# Altium PCB RADM-B00-V00.PcbDoc (part 1 of 2) (continued)
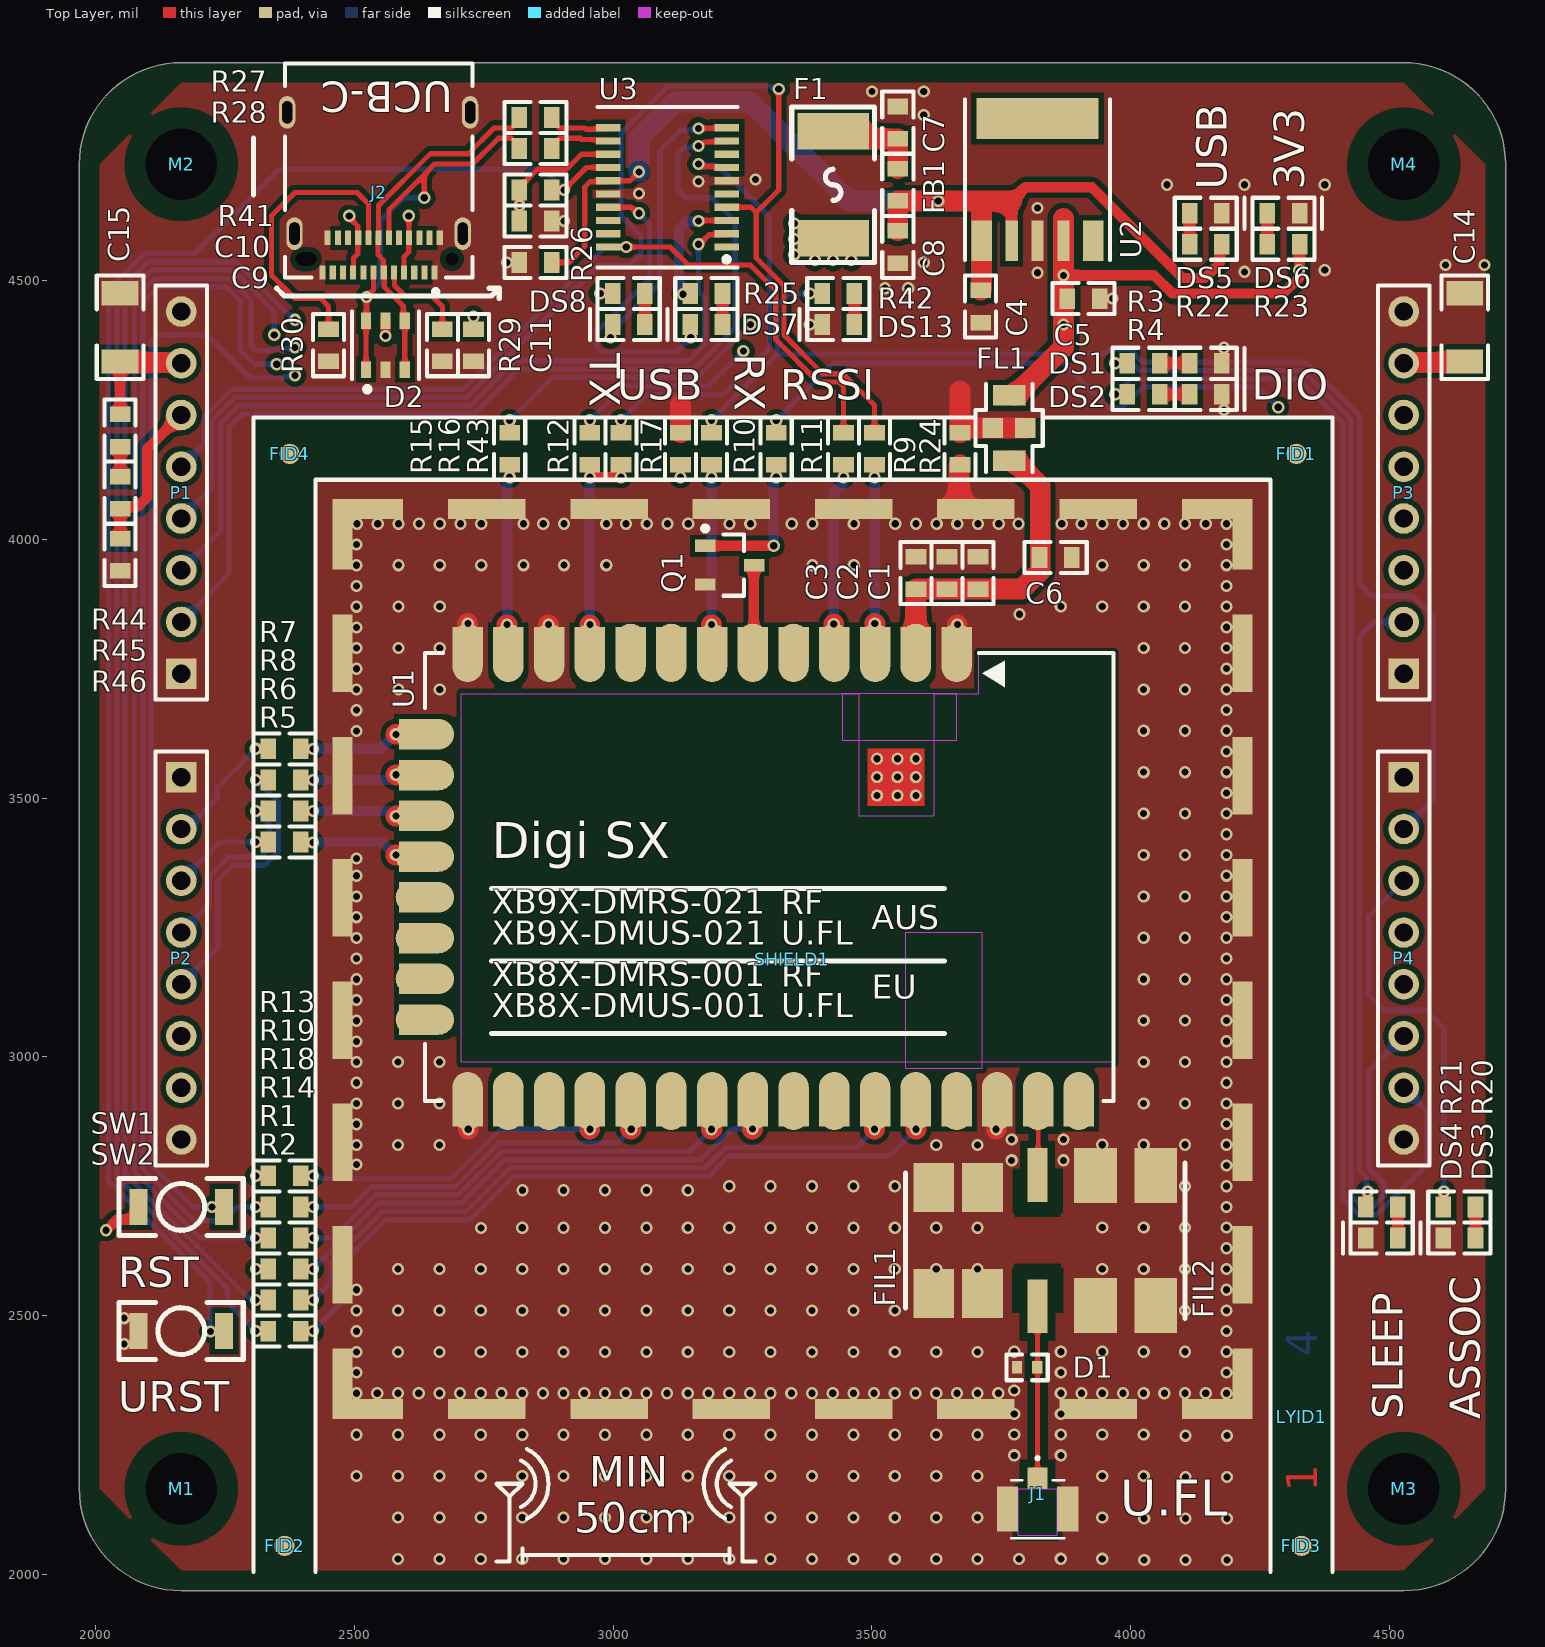
[diagram p0: Top Layer view]
## Design rules (kind name [scope] priority, off if disabled: settings)
Clearance "Schematic Clearance Constraint_1" [InNet('XBEE RF FILT')] p1: gap=14.5 ignorepadtopadclearanceinfootprint=FALSE
Clearance "Schematic Clearance Constraint" [InNet('XBEE RF')] p2: gap=14.5 ignorepadtopadclearanceinfootprint=FALSE
Clearance [All] p3: gap=10 ignorepadtopadclearanceinfootprint=FALSE except(0: Arc-Hole Track-Hole SMDPad-Hole THPad-Hole Via-Hole Fill-Hole Poly-Hole Region-Hole Text-Hole; 6: Arc-Arc Arc-Track Arc-SMDPad Track-Track Track-SMDPad SMDPad-SMDPad)
DiffPairsRouting [All] p1: maxlimit=10 minlimit=6 mostfreqgap=10 toplayer_minwidth=10 toplayer_maxwidth=15 toplayer_prefwidth=15 midlayer1_minwidth=10 midlayer1_maxwidth=15 midlayer1_prefwidth=15 midlayer2_minwidth=10 midlayer2_maxwidth=15 midlayer2_prefwidth=15 bottomlayer_minwidth=10 bottomlayer_maxwidth=15 bottomlayer_prefwidth=15 maxuncoupledlength=500
MaxMinImpedance "Schematic Impedance Constraint_1" [InNet('XBEE RF FILT')] p1: minimum=49.50 maximum=50.50
MaxMinImpedance "Schematic Impedance Constraint" [InNet('XBEE RF')] p2: minimum=49.50 maximum=50.50
PolygonConnect [All] p1: connectstyle=Direct reliefconductorwidth=10 reliefentries=4 polygonreliefangle="90 Angle" airgapwidth=10
RoutingVias [All] p1: holewidth=13.78 width=23.62 viastyle="Through Hole" minholewidth=13.78 minwidth=23.62 maxholewidth=13.78 maxwidth=23.62
SolderMaskExpansion [All] p1: expansion=4 istentingtop=FALSE
Width "Schematic Width Constraint_1" [InNet('XBEE RF FILT')] p1: maxlimit=10 minlimit=9 preferedwidth=10 toplayer_maxwidth=9 toplayer_prefwidth=9 midlayer1_minwidth=10 midlayer2_minwidth=10 bottomlayer_maxwidth=9 bottomlayer_prefwidth=9 minimp=50.000000 maximp=50.000000 favimp=50.000000
Width "Schematic Width Constraint" [InNet('XBEE RF')] p2: maxlimit=10 minlimit=9 preferedwidth=10 toplayer_maxwidth=9 toplayer_prefwidth=9 midlayer1_minwidth=10 midlayer2_minwidth=10 bottomlayer_maxwidth=9 bottomlayer_prefwidth=9 minimp=50.000000 maximp=50.000000 favimp=50.000000
Width [All] p3: maxlimit=40 minlimit=10 preferedwidth=20 minimp=50.000000 maximp=50.000000 favimp=50.000000
29 further rules are at their usual default settings.

## Classes and differential pairs
component class Connector: P1 P2 P3 P4 R44 R45 R46
component class "USB Connectivity (FTDI)": C9 C10 C11 D2 DS7 DS8 J2 R25 R26 R27 R28 R29 R30 R41 SW2 U3
component class "Supporting Circuity (RSSI Indicator)": DS13 R42
component class RADM-Master-S00-V00: FID1 FID2 FID3 FID4 LOGO1 LYID1 M1 M2 M3 M4
component class "Radio Module (Digi SX Radio 900Mhz)": C1 C2 C3 D1 DS1 DS2 DS3 DS4 FIL1 FIL2 J1 Q1 R1 R2 R3 R4 R5 R6 R7 R8 R9 R10 R11 R12 R13 R14 R15 R16 R17 R18 R19 R20 R21 R43 SHIELD1 SW1 U1
component class "Power Supply (Filtering, Regulation)": C4 C5 C6 C7 C8 C14 C15 DS5 DS6 F1 FB1 FL1 R22 R23 R24 U2
differential pair "USB D": +"USB D_P" -"USB D_N"
differential pair "USB DP": +"USB DP_P" -"USB DP_N"

## Components (designator, comment, footprint, x,y, rotation, side; value= is the part's Value field where it differs from the comment)
C1 "1uF" Cap_Ceramic_0603 3705,3935 r270 top
C2 "100nF" Cap_Ceramic_0603 3645,3935 r270 top
C3 "10nF" Cap_Ceramic_0603 3585,3935 r270 top
C4 "1uF" Cap_Ceramic_0603 3710,4450 r90 top
C5 "1uF" Cap_Ceramic_0603 3908.76,4465 r180 top
C6 "100nF" Cap_Ceramic_0603 3855,3965 r180 top
C7 "10nF" Cap_Ceramic_0603 3550,4805 r270 top
C8 "10nF" Cap_Ceramic_0603 3550,4565 r90 top
C9 "100nF" Cap_Ceramic_0603 2850,4535 r0 top
C10 "100nF" Cap_Ceramic_0603 2850,4615 r180 top
C11 "1uF" Cap_Ceramic_0603 2730,4375 r90 top
C14 "10uF 1206" Cap_Ceramic_1206 4645.67,4409.45 r270 top
C15 "10uF 1206" Cap_Ceramic_1206 2047.24,4409.45 r270 top
D1 "PESD0402-140" FERRITEBEAD_0402 3799.68,2400 r0 top locked
D2 "PRTR5V0U4D" SC-47 2560,4375 r90 top
DS1 "LED Yellow 0603" "LED YELLOW 0603" 4145,4340 r0 top
DS2 "LED Yellow 0603" "LED YELLOW 0603" 4145,4280 r0 top
DS3 "LED Yellow 0603" "LED YELLOW 0603" 4635,2650 r180 top
DS4 "LED Orange 0603" "LED ORANGE 0603" 4485,2650 r180 top
DS5 "LED Green 0603" "LED GREEN 0603" 4145,4630 r0 top
DS6 "LED Green 0603" "LED GREEN 0603" 4295,4630 r0 top
DS7 "LED Blue 0603" "LED BLUE 0603" 3180,4415 r180 top
DS8 "LED Blue 0603" "LED BLUE 0603" 3030,4415 r180 top
DS13 "LED Yellow 0603" "LED YELLOW 0603" 3435,4415 r180 top
F1 "0ZCG0050FF2C" "1812 FUSE" 3425,4685 r90 top
FB1 "742792651" Inductor_0603 3550,4685 r270 top
FID1 "Fiducial 1MM" "FIDUCIAL 1MM" 4320,4165 r0 top
FID2 "Fiducial 1MM" "FIDUCIAL 1MM" 2365,2055 r90 top
FID3 "Fiducial 1MM" "FIDUCIAL 1MM" 4330,2055 r90 top
FID4 "Fiducial 1MM" "FIDUCIAL 1MM" 2375,4165 r180 top
FIL1 "DBP.915.V.A.30" "TAOGLAS 915MHZ FILTER" 3820,2645 r270 top locked
FIL2 "DBP.868.U.A.30" "TAOGLAS 868MHZ FILTER" 3820,2645 r90 top locked net-tie
FL1 "NFE31PT101C1E9L" NFE31PT101C1E9L 3765,4215 r270 top
J1 "U.FL-R-SMT-1(10)" "U.FL-R-SMT HIROSE" 3820,2125.98 r270 top locked
J2 "12401610E4#2A" 12401610E4#2A 2546.77,4541.53 r180 top locked
LOGO1 "30mm Wide QUTMS Logo" "QUTMS LOGO 30MM" 3937.01,4330.71 r180 bottom
LYID1 "4 Layer Identification PCB Marker" "LAYER IDENT 4" 4330,2305 r90 top
M1 "Hole M3 Loose Unplated" "M3.5 UNPLATED" 2165.35,2165.35 r0 top locked
M2 "Hole M3 Loose Unplated" "M3.5 UNPLATED" 2165.35,4724.41 r0 top locked
M3 "Hole M3 Loose Unplated" "M3.5 UNPLATED" 4527.56,2165.35 r0 top locked
M4 "Hole M3 Loose Unplated" "M3.5 UNPLATED" 4527.56,4724.41 r0 top locked
P1 "Header 8" HDR1X8 2165.35,3740.16 r90 top locked
P2 "Header 8" HDR1X8 2165.35,3540.16 r270 top locked
P3 "Header 8" HDR1X8 4527.56,3740.16 r90 top locked
P4 "Header 8" HDR1X8 4527.56,3540.16 r270 top locked
Q1 "2N7002" SOT23-3 3225,3950 r0 top
R1 "33R" Res_ThinFilm_0603 2365,2530 r0 top
R2 "33R" Res_ThinFilm_0603 2365,2470 r0 top
R3 "1k" Res_ThinFilm_0603 4025,4340 r180 top
R4 "1k" Res_ThinFilm_0603 4025,4280 r180 top
R5 "33R" Res_ThinFilm_0603 2365,3415 r0 top
R6 "33R" Res_ThinFilm_0603 2365,3475 r0 top
R7 "33R" Res_ThinFilm_0603 2365,3595 r0 top
R8 "33R" Res_ThinFilm_0603 2365,3535 r0 top
R9 "33R" Res_ThinFilm_0603 3505,4175 r270 top
R10 "33R" Res_ThinFilm_0603 3315,4175 r270 top
R11 "33R" Res_ThinFilm_0603 3445,4175 r270 top
R12 "10k" Res_ThinFilm_0603 3130,4175 r270 top
R13 "33R" Res_ThinFilm_0603 2365,2770 r0 top
R14 "33R" Res_ThinFilm_0603 2365,2590 r0 top
R15 "33R" Res_ThinFilm_0603 2800,4175 r270 top
R16 "33R" Res_ThinFilm_0603 2955,4175 r270 top
R17 "33R" Res_ThinFilm_0603 3190,4175 r270 top
R18 "33R" Res_ThinFilm_0603 2365,2650 r0 top
R19 "33R" Res_ThinFilm_0603 2365,2710 r0 top
R20 "1k" Res_ThinFilm_0603 4635,2710 r180 top
R21 "1k" Res_ThinFilm_0603 4485,2710 r180 top
R22 "1k" Res_ThinFilm_0603 4145,4570 r0 top
R23 "1k" Res_ThinFilm_0603 4295,4570 r0 top
R24 "0R" Res_ThinFilm_0603 3670,4175 r270 top
R25 "1k" Res_ThinFilm_0603 3180,4475 r0 top
R26 "1k" Res_ThinFilm_0603 3030,4475 r0 top
R27 "22R" Res_ThinFilm_0603 2850,4815 r0 top
R28 "22R" Res_ThinFilm_0603 2850,4755 r0 top
R29 "5k1 1%" Res_ThinFilm_0603 2670,4375 r90 top
R30 "5k1 1%" Res_ThinFilm_0603 2450,4375 r90 top
R41 "10k" Res_ThinFilm_0603 2850,4675 r0 top
R42 "1k" Res_ThinFilm_0603 3435,4475 r180 top
R43 "33R" Res_ThinFilm_0603 3015,4175 r270 top
R44 "10k" Res_ThinFilm_0603 2047.24,4210 r270 top
R45 "10k" Res_ThinFilm_0603 2047.24,4090 r270 top
R46 "10k" Res_ThinFilm_0603 2047.24,3970 r270 top
SHIELD1 "BMI-S-207-F" BMI-S-207-F 3346.46,3188.98 r0 top locked
SW1 "B3U-1000P" "BTN B3U-1000P" 2165.35,2710 r180 top
SW2 "B3U-1000P" "BTN B3U-1000P" 2165.35,2470 r0 top
U1 "XB9X-DMUS-021" XBEE_1W_BASE 3663.54,3780.59 r270 top locked
U2 "MCP1826T-3302E/DC" SOT-223-5 3820,4695 r0 top
U3 "FT231XS-R" SSOP-20 3105,4680 r180 top

## Footprints (in the part's own frame and the unit in brackets; to place one, negate y for a bottom-side part, rotate by r counter-clockwise, add the part's x,y. Pads: shape width x height; smd on the part's side, far side on the other; paste and mask are expansions set on the pad)
"1812 FUSE" [mm]
  rect 1.8x3.5 smd: 1(-2.625,0) 2(2.625,0)
  silkscreen extent -3.81,-2.03 3.81,2.03, body extent -2.25,-1.6 2.25,1.6, height 0.58
12401610E4#2A [mm]
  rect 0.3x0.7 smd: A1(-2.75,0.66) A2(-2.25,0.66) A3(-1.75,0.66) A4(-1.25,0.66) A5(-0.75,0.66) A6(-0.25,0.66) A7(0.25,0.66) A8(0.75,0.66) A9(1.25,0.66) A10(1.75,0.66) A11(2.25,0.66) A12(2.75,0.66) B1(2.5,-1.04) B2(2,-1.04) B3(1.5,-1.04) B4(1,-1.04) B5(0.5,-1.04) B6(0,-1.04) B7(-0.5,-1.04) B8(-1,-1.04) B9(-1.5,-1.04) B10(-2,-1.04) B11(-2.5,-1.04) B12(-3,-1.04)
  oval 0.8x1.6 hole 0.5 slot 1.1 at 90 deg: S1(-4.13,-1.25) S2(4.13,-1.25) S3(4.49,-7.2) S4(-4.49,-7.2)
  round 0 hole 0.65 unplated: ""(-3.6,0)
  round 0 hole 0.65 slot 1.016 at 0 deg unplated mask+0: ""(3.559,0)
  silkscreen extent -4.6,-9.59 4.6,1.7, body extent -4.6,-9.53 4.6,1.02, height 3.3
BMI-S-207-F [mm]
  rect 1x3.47 smd: 1(-22.085,-20.85) 1(-22.085,20.85) 1(22.085,-20.85) 1(22.085,20.85)
  rect 1x3.8 smd: 1(-22.085,-15) 1(-22.085,-9) 1(-22.085,-3) 1(-22.085,3) 1(-22.085,9) 1(-22.085,15) 1(22.085,-15) 1(22.085,-9) 1(22.085,-3) 1(22.085,3) 1(22.085,9) 1(22.085,15)
  rect 3.47x1 smd: 1(-20.85,-22.085) 1(-20.85,22.085) 1(20.85,-22.085) 1(20.85,22.085)
  rect 3.8x1 smd: 1(-15,-22.085) 1(-15,22.085) 1(-9,-22.085) 1(-9,22.085) 1(-3,-22.085) 1(-3,22.085) 1(3,-22.085) 1(3,22.085) 1(9,-22.085) 1(9,22.085) 1(15,-22.085) 1(15,22.085)
  body extent -22.39,-22.39 22.44,22.44, height 26
"BTN B3U-1000P" [mil] "OMRON B3U-1000P"
  rect 35x70 smd: 1(-82.68,0) 2(82.68,0)
  silkscreen extent -120,-55 120,55, body extent -79,-49 79,49, height 63
Cap_Ceramic_0603 [mil]
  rect 30x40 smd: 1(-31.24,0) 2(31.24,0)
  silkscreen extent -60,-30 60,30, body extent -31,-16 32,16, height 33
Cap_Ceramic_1206 [mil]
  rect 47x71 smd: 1(-66.08,0) 2(66.08,0)
  silkscreen extent -100,-45 100,45, body extent -63,-31 63,32, height 53
FERRITEBEAD_0402 [mm]
  rect 0.5x0.6 smd: 1(-0.5,0) 2(0.5,0)
  silkscreen extent -1.02,-0.64 1.02,0.64, body extent -0.5,-0.25 0.5,0.25, height 0.5
"FIDUCIAL 1MM" [mm]
  round 1 smd mask+1: 1(0,0)
  round 1 smd far side mask+1: 1(0,0)
  Top Layer pour cut-out: 0.003,-1.516 -0.579,-1.4 -1.073,-1.07 -1.403,-0.577 -1.518,0.006 -1.518,0.006 -1.403,0.588 -1.073,1.081 -0.579,1.411 0.003,1.527 0.003,1.527 0.585,1.411 1.078,1.081 1.408,0.588 1.524,0.006 1.524,0.006 1.408,-0.577 1.078,-1.07 0.585,-1.4 0.003,-1.516
  Bottom Layer pour cut-out: 0.003,-1.516 -0.579,-1.4 -1.073,-1.07 -1.403,-0.577 -1.518,0.006 -1.518,0.006 -1.315,0.766 -0.758,1.323 0.003,1.527 0.003,1.527 0.585,1.411 1.078,1.081 1.408,0.588 1.524,0.006 1.524,0.006 1.408,-0.577 1.078,-1.07 0.585,-1.4 0.003,-1.516
HDR1X8 [mm] "Connector; Header; 8 Position"
  rect 1.5x1.5 hole 0.9: 1(0,0)
  round 1.5 hole 0.9: 2(2.54,0) 3(5.08,0) 4(7.62,0) 5(10.16,0) 6(12.7,0) 7(15.24,0) 8(17.78,0)
  silkscreen extent -1.27,-1.27 19.05,1.27
Inductor_0603 [mil]
  rect 30x40 smd: 1(-31.24,0) 2(31.24,0)
  silkscreen extent -60,-30 60,30, body extent -31,-16 32,16, height 18
"LAYER IDENT 4" [mil]
  Top Layer pour cut-out: -180,50 -180,-50 180,-50 180,50
  Mid-Layer 1 pour cut-out: -180,50 -180,-50 180,-50 180,50
  Mid-Layer 2 pour cut-out: -180,50 -180,-50 180,-50 180,50
  Bottom Layer pour cut-out: -180,50 -180,-50 180,-50 180,50
"LED BLUE 0603" [mil]
  rect 30x40 smd: 1(-31.24,0) 2(31.24,0)
  silkscreen extent -60,-30 75,30, body extent -40,-20 40,20, height 30
"LED GREEN 0603" [mil]
  rect 30x40 smd: 1(-31.24,0) 2(31.24,0)
  silkscreen extent -60,-30 75,30, body extent -40,-20 40,20, height 30
"LED ORANGE 0603" [mil]
  rect 30x40 smd: 1(-31.24,0) 2(31.24,0)
  silkscreen extent -60,-30 75,30, body extent -40,-20 40,20, height 30
"LED YELLOW 0603" [mil]
  rect 30x40 smd: 1(-31.24,0) 2(31.24,0)
  silkscreen extent -60,-30 75,30, body extent -40,-20 40,20, height 30
"M3.5 UNPLATED" [mm]
  round 0 hole 3.5 unplated mask+2.6: 1(0,0)
  Top Layer pour cut-out: 0,-2.794 -1.069,-2.581 -1.976,-1.976 -2.581,-1.069 -2.794,0 -2.794,0 -2.581,1.069 -1.976,1.976 -1.069,2.581 0,2.794 0,2.794 1.069,2.581 1.976,1.976 2.581,1.069 2.794,0 2.794,0 2.581,-1.069 1.976,-1.976 1.069,-2.581 0,-2.794
  Bottom Layer pour cut-out: 0,-2.794 -1.069,-2.581 -1.976,-1.976 -2.581,-1.069 -2.794,0 -2.794,0 -2.581,1.069 -1.976,1.976 -1.069,2.581 0,2.794 0,2.794 1.069,2.581 1.976,1.976 2.581,1.069 2.794,0 2.794,0 2.581,-1.069 1.976,-1.976 1.069,-2.581 0,-2.794
NFE31PT101C1E9L [mm]
  rect 1x1.6 smd: 1(-1.6,0) 3(1.6,0)
  rect 1x1 smd: 2(0,0.8) 2(0,-0.8)
  silkscreen extent -2.16,-1.65 2.16,1.65, body extent -1.6,-0.89 1.6,0.86, height 1.61
"QUTMS LOGO 30MM" [mil]
  silkscreen extent -1,1 1182,398
Res_ThinFilm_0603 [mil]
  rect 30x40 smd: 1(-31.24,0) 2(31.24,0)
  silkscreen extent -60,-30 60,30, body extent -31,-16 32,16, height 18
SC-47 [mm]
  rect 0.8x0.5 smd: 1(-1.2,0.95) 2(-1.2,0) 3(-1.2,-0.95) 4(1.2,-0.95) 5(1.2,0) 6(1.2,0.95)
  silkscreen extent -2.29,-1.65 1.65,1.65, body extent -1.3,-1.45 1.3,1.45, height 1.14
SOT23-3 [mm] "SOT23, 3-Leads, Body 2.90x2.45mm, Pitch 0.95mm, IPC Medium Density"
  rect 1x0.6 smd: D(1.2,0) G(-1.2,0.95) S(-1.2,-0.95)
  silkscreen extent -1.32,-1.5 0.7,1.92, body extent -1.3,-1.5 1.3,1.5, height 1.1
SOT-223-5 [mm]
  rect 1x2 smd: 1(-2.74,-3) 5(2.74,-3)
  rect 0.6x2 smd: 2(-1.27,-3) 3(0,-3) 4(1.27,-3)
  rect 6x2 smd: EP(0,3)
  silkscreen extent -3.56,-3.94 3.56,3.94, body extent -3.27,-3.63 3.28,3.63, height 1.8
SSOP-20 [mm]
  rect 1.2x0.35 smd: 1(-2.9,2.925) 2(-2.9,2.275) 3(-2.9,1.625) 4(-2.9,0.975) 5(-2.9,0.325) 6(-2.9,-0.325) 7(-2.9,-0.975) 8(-2.9,-1.625) 9(-2.9,-2.275) 10(-2.9,-2.925) 11(2.9,-2.925) 12(2.9,-2.275) 13(2.9,-1.625) 14(2.9,-0.975) 15(2.9,-0.325) 16(2.9,0.325) 17(2.9,0.975) 18(2.9,1.625) 19(2.9,2.275) 20(2.9,2.925)
  silkscreen extent -3.43,-3.94 3.43,3.94, body extent -3,-3.72 3,3.73, height 1.63
"TAOGLAS 868MHZ FILTER" [mm]
  rect 2.2x1 smd paste-0.1: 1(-3.438,0) 2(3.438,0)
  rect 2.7x2.1 smd paste-0.25: 3(-3.188,-2.85) 4(3.188,-2.85) 5(-3.188,-5.8) 6(3.188,-5.8)
  Top Layer pour cut-out: -3.549,0.508 -3.549,1.25 -1.338,1.25 -1.338,-1.25 -3.549,-1.25 -3.549,-0.508 -2.279,-0.508 -2.279,0.508
  Top Layer pour cut-out: 3.549,-0.508 3.549,-1.25 1.338,-1.25 1.338,1.25 3.549,1.25 3.549,0.508 2.279,0.508 2.279,-0.508
  silkscreen extent -3.81,-7.24 3.81,-7.24, body extent -3.65,-6.52 3.65,2.48, height 3.7
"TAOGLAS 915MHZ FILTER" [mm]
  rect 2x1 smd paste-0.1: 1(-2.9,0) 2(2.9,0)
  rect 2.4x2 smd paste-0.25: 3(-2.6,-2.7) 4(2.6,-2.7) 5(-2.6,-5.1) 6(2.6,-5.1)
  Top Layer pour cut-out: 3.175,-0.508 3.175,-1.15 1.15,-1.15 1.15,1.15 3.175,1.15 3.175,0.508 1.905,0.508 1.905,-0.508
  Top Layer pour cut-out: -3.175,0.508 -3.175,1.15 -1.15,1.15 -1.15,-1.15 -3.175,-1.15 -3.175,-0.508 -1.905,-0.508 -1.905,0.508
  silkscreen extent -3.3,-6.48 3.3,-6.48, body extent -3,-6.22 3,2.48, height 3.05
"U.FL-R-SMT HIROSE" [mm]
  rect 1.05x1 smd: 1(-1.525,0)
  rect 2.2x1.05 smd: 2(0,1.475) 2(0,-1.475)
  Keep-Out Layer region: 1.3,-0.95 -1,-0.95 -1,0.95 1.3,0.95
  silkscreen extent -2.57,-1.3 1.42,1.3, body extent -1.55,-1.5 1.55,1.5, height 1.25
XBEE_1W_BASE [mm]
  rect 1.5x1.5 smd: 1(-0.508,0) 2(-0.508,-2) 3(-0.508,-4) 4(-0.508,-6) 5(-0.508,-8) 6(-0.508,-10) 7(-0.508,-12) 8(-0.508,-14) 9(-0.508,-16) 10(-0.508,-18) 11(-0.508,-20) 12(-0.508,-22) 13(-0.508,-24) 14(3.998,-26.608) 15(5.998,-26.608) 16(7.998,-26.608) 17(9.998,-26.608) 18(11.998,-26.608) 19(13.998,-26.608) 20(15.998,-26.608) 21(17.998,-26.608) 22(22.508,-24) 23(22.508,-22) 24(22.508,-20) 25(22.508,-18) 26(22.508,-16) 27(22.508,-14) 28(22.508,-12) 29(22.508,-10) 30(22.508,-8) 31(22.508,-6) 32(22.508,-4) 33(22.508,-2) 34(22.508,0) 35(22.508,2) 36(22.508,4) 37(22.5,6)
  oval 2.86x1.5 smd: 1(0,0) 2(0,-2) 3(0,-4) 4(0,-6) 5(0,-8) 6(0,-10) 7(0,-12) 8(0,-14) 9(0,-16) 10(0,-18) 11(0,-20) 12(0,-22) 13(0,-24) 22(22,-24) 23(22,-22) 24(22,-20) 25(22,-18) 26(22,-16) 27(22,-14) 28(22,-12) 29(22,-10) 30(22,-8) 31(22,-6) 32(22,-4) 33(22,-2) 34(22,0) 35(22,2) 36(22,4) 37(22,6)
  oval 1.5x2.86 smd: 14(3.998,-26.1) 15(5.998,-26.1) 16(7.998,-26.1) 17(9.998,-26.1) 18(11.998,-26.1) 19(13.998,-26.1) 20(15.998,-26.1) 21(17.998,-26.1)
  round 0.6 hole 0.35: 38(5.2,-3.9) 38(5.2,-2.9) 38(5.2,-2) 38(6.1,-3.9) 38(6.1,-2.9) 38(6.1,-2) 38(7,-3.9) 38(7,-2.9) 38(7,-2)
  round 0.2 smd: 38(6.2,-2.9)
  Top Layer region: 4.699,-4.369 7.493,-4.369 7.493,-1.575 4.699,-1.575
  Top Layer keep-out region: 0,7.7 20.1,7.7 20.1,-24.3 2,-24.3 2,-4.8 8,-4.8 8,-1.1 2,-1.1 2,1.1 0,1.1
  Top Layer keep-out region: 2,0 2,-5.6 4.3,-5.6 4.3,0
  Mid-Layer 1 keep-out region: 20.422,1.295 20.422,-2.362 14.122,-2.362 14.097,-2.337 14.122,-2.311 14.122,1.295
  Mid-Layer 2 keep-out region: 20.422,1.295 20.422,-2.362 14.122,-2.362 14.097,-2.337 14.122,-2.311 14.122,1.295
  Keep-Out Layer region: 13.75,1.27 13.75,-2.515 20.396,-2.515 20.396,1.27
  silkscreen extent 0,-26.09 22,7.7, body extent -0.1,-26.11 22,7.67, height 1.85

## Part data
C1 C4 C5 C11: library part "1uF 25V 5% X7R 0603", "Capacitor, Ceramic, SMD, 1uF, 25V, 5%, X7R, 0603"
C2 C6 C9 C10: library part "100nF 50V 5% X7R 0603", "Capacitor, Ceramic, SMD, 100nF, 50V, 5%, X7R, 0603"
C3 C7 C8: library part "10nF 50V 5% X7R 0603", "Capacitor, Ceramic, SMD, 10nF, 50V, 5%, X7R, 0603"
C14 C15: library part "10uF 25V 10% X7R 1206", "Capacitor, Ceramic, SMD, 10uF, 25V, 10%, X7R, 1206"
D1: "40V Clamp Ipp Tvs Diode Surface Mount 0402"
D2: "Clamp Ipp Tvs Diode Surface Mount 6-TSOP"
F1: "Polymeric PTC Resettable Fuse 16V 500mA Ih Surface Mount 1812 (4532 Metric), Concave"
FB1: "600 Ohms @ 100MHz 1 Signal Line Ferrite Bead 0603 (1608 Metric) 1A 200mOhm"
FIL1: "915MHz Frequency Band Pass RF Filter (Radio Frequency) 5MHz Bandwidth 3.2dB 2-SMD, No Lead"
FIL2: "868MHz Frequency Band Pass RF Filter (Radio Frequency) 4MHz Bandwidth 3dB 2-SMD, No Lead"
FL1: "LC (T-Type) EMI Filter 3rd Order Low Pass 1 Channel C = 100pF 6A 1206 (3216 Metric), 3 PC Pad"
J1: "U.FL (UMCC) Connector Receptacle, Male Pin 50Ohm Surface Mount Solder,  H11891CT-ND"
J2: "USB-C (USB TYPE-C) USB 3.2 Gen 2 (USB 3.1 Gen 2, Superspeed + (USB 3.1)) Receptacle Connector 24 Position Surface Mount, Right Angle; Through Hole"
LOGO1: library part "QUTMS Logo 30mm"
LYID1: library part "Layer Identification 4"
M1 M2 M3 M4: "M3.5 Hole, No Plating"
P1 P2 P3 P4: "Header, 8-Pin", LatestRevisionDate=17-Jul-2002, LatestRevisionNote="Re-released for DXP Platform.", Publisher="Altium Limited"
R1 R2 R5 R6 R7 R8 R9 R10 R11 R13 R14 R15 R16 R17 R18 R19 R43: library part "33R 5% 0603", "Resistor, SMD, 33R, 0.1W, 5%, 0603"
R3 R4 R20 R21 R22 R23 R25 R26 R42: library part "1k 5% 0603", "Resistor, SMD, 1k, 0.1W, 5%, 0603"
R12 R41 R44 R45 R46: library part "10k 5% 0603", "Resistor, SMD, 10k, 0.1W, 5%, 0603"
R24: library part "0R 5% 0603", "Resistor, SMD, 0R, 0.1W, 5%, 0603"
R27 R28: library part "22R 5% 0603", "Resistor, SMD, 22R, 0.1W, 5%, 0603"
R29 R30: library part "5k1 1% 0603", "Resistor, SMD, 5k1, 0.1W, 1%, 0603"
SHIELD1: "RF Shield Frame 1.747\" (44.37mm) X 1.747\" (44.37mm) Solder"
SW1 SW2: library part "BTN B3U-1000P", "Omron B3U-1000P Ultra Miniture Switch", ComponentLink1Description=LCSC, ComponentLink1URL=https://lcsc.com/product-detail/Tactile-Switches_BRIGHT-TSA063G50-250_C294565.html
U1: "General ISM < 1GHz Transceiver Module 902MHz ~ 928MHz Antenna Not Included, U.FL Surface Mount"
U2: "Linear Voltage Regulator IC Positive Fixed 1 Output 1A SOT-223-5"
U3: "USB Bridge, USB to UART USB 2.0 UART Interface 20-SSOP"

## Via types
v1: diameter 23.62, hole 13.78, Top Layer to Bottom Layer, tented both sides, 504 vias

## Nets (pads, with @x,y where several pads share a name; then routed paths per layer and width w, separated by ;. In a path a pad name is that pad's centre, name@x,y a point inside that pad or via, vN(x,y) a via of type N, cw(c..) or ccw(c..) an arc to the next point about the centre after c; other vN are vias at no path point)
3V3: C1.2 C2.2 C3.2 C6.2 FL1.3 U1.2 | length 622.3
  Top Layer w40: U1.2@3584.8,3780.59 U1.2@3584.8,3800.59 3584.8,3903.57 C3.2@3585,3903.76 C2.2@3645,3903.76 3789.85,3903.76 3825,3938.91 3825,4103.19 3776.18,4152.01 FL1.3@3765,4152.01
"3V3 LED": DS6.1 R23.1 | length 60
  Top Layer w20: R23.1@4263.76,4570 DS6.1@4263.76,4630
5V: C4.2 C8.2 C9.2 FB1.2 R22.2 U2.1 U2.2 U3.15 | length 2125.8
  Top Layer w10: C9.2@2881.24,4535 2914.41,4535 2945,4565.59 2945,4680.78 2955.12,4690.91 2988.94,4690.91 U3.15@2990.83,4692.8 3032.8,4692.8 v1(3050,4710)
  Top Layer w20: U2.2@3770,4576.89 3770,4653.76 3796.24,4680 3925,4680 4100,4505 4143.66,4505 4171.24,4532.57 4171.24,4565 R22.2@4176.24,4570
  Top Layer w40: C8.2@3550,4596.24 FB1.2@3550,4653.76 v1(3628.12,4653.76) 3706.24,4653.76 ; C4.2@3710,4481.24 3711.81,4483.05 3711.81,4576.57 U2.1@3712.13,4576.89 3711.81,4577.2 3711.81,4648.19 3706.24,4653.76 ; 3770,4653.76 3706.24,4653.76
  Bottom Layer w40: v1(3050,4710) 3050,4775 3120,4845 3265,4845 3456.24,4653.76 v1(3628.12,4653.76)
"5V LED": DS5.1 R22.1 | length 60
  Top Layer w20: R22.1@4113.76,4570 DS5.1@4113.76,4630
BACKUP: P3.6
"CON ASSOC": P4.3 R18.1 R20.2 | length 6360.5
  Top Layer w20: v1(2310,2650) R18.1@2333.76,2650 ; R20.2@4603.76,2710 4604.38,2710.62 4604.38,2739.38 v1(4605,2740)
  Mid-Layer 2 w10: v1(2385,4370.43) 2387.61,4367.83 2402.17,4367.83 2476,4294 3918.63,4294 3959.44,4253.19 3985.56,4253.19 4039.37,4307 4370.67,4307 4437,4240.67 4437,3953.34 4500.34,3890 4545,3890 4580,3855 4580,3392.6 P4.3@4527.56,3340.16
  Bottom Layer w10: v1(2310,2650) 2202.88,2650 2075,2777.88 2075,4464.98 2114.15,4504.13 2258.5,4504.13 2300,4462.63 2300,4373.79 2308.79,4365 2343.19,4365 2346.38,4368.19 2382.76,4368.19 v1(2385,4370.43) ; P4.3@4527.56,3340.16 4460,3272.6 4460,3120 4490,3090 4570,3090 4605,3055 v1(4605,2740)
"CON ASSOC LED": DS3.1 R20.1 | length 60
  Top Layer w20: DS3.1@4666.24,2650 R20.1@4666.24,2710
"CON ATTN": P3.3 R15.1 | length 2195.9
  Top Layer w20: R15.1@2800,4206.24 v1(2800,4230)
  Mid-Layer 2 w10: v1(3265,4415) 3338,4342 3907.02,4342 3949.32,4384.3 3993.2,4384.3 4054.5,4323 4377.29,4323 4453,4247.29 4453,4014.72 P3.3@4527.56,3940.16
  Bottom Layer w10: v1(2800,4230) 2883,4313 3163,4313 v1(3265,4415)
"CON CLK": P2.2 R7.1 | length 244.8
  Top Layer w20: v1(2309.2,3595.07) 2309.28,3595 R7.1@2333.76,3595
  Bottom Layer w10: P2.2@2165.35,3440.16 2175.16,3440.16 2235,3500 2235,3520.87 v1(2309.2,3595.07)
"CON CS": P2.5 R8.1 | length 549.7
  Top Layer w20: v1(2310,3535) R8.1@2333.76,3535
  Bottom Layer w10: P2.5@2165.35,3140.16 2236,3210.8 2236,3341 2265,3370 2325.99,3370 2352.81,3396.82 2352.81,3492.19 v1(2310,3535)
"CON CTS": P1.3 R13.1 U3.2 | length 2851.8
  Top Layer w10: v1(3165,4570) 3166.88,4570 3185.43,4588.54 3217.28,4588.54 U3.2@3219.17,4590.43
  Top Layer w20: v1(2310,2770) R13.1@2333.76,2770
  Mid-Layer 2 w10: P1.3@2165.35,3940.16 2245,3860.51 2245,2795 2270,2770 v1(2310,2770)
  Bottom Layer w10: P1.3@2165.35,3940.16 2241.88,4016.69 2241.88,4224 2275.88,4258 2723.25,4258 2810.25,4345 3145,4345 3176.81,4376.81 3176.81,4466.7 3165,4478.51 v1(3165,4570)
"CON DIO0": P4.7 R2.1 R4.2 | length 6689.2
  Top Layer w20: v1(2310,2470) R2.1@2333.76,2470
  Mid-Layer 2 w10: v1(2385,4424.06) 2388.69,4424.06 2399.5,4413.24 2402.73,4413.24 2489.98,4326 3913.64,4326 3955.95,4368.3 3984.22,4368.3 4000,4352.52 4000,4310 v1(3970.27,4280.27)
  Bottom Layer w10: v1(2310,2470) 2255,2525 2255,2552.63 2041,2766.63 2041,4476.24 2100.89,4536.13 2271.75,4536.13 2383.83,4424.06 v1(2385,4424.06) ; v1(3970.27,4280.27) 4000,4310 4324.75,4310 4410,4224.75 4410,2725 4440,2695 4475,2695 4572.09,2792.09 4572.09,2895.63 P4.7@4527.56,2940.16
"CON DIO0 LED": DS2.1 R4.1 | length 57.5
  Top Layer w20: R4.1@4056.24,4280 DS2.1@4113.76,4280
"CON DIO1": P4.6 R1.1 R3.2 | length 6565.8
  Top Layer w20: v1(2310,2530) R1.1@2333.76,2530
  Mid-Layer 2 w10: v1(2345,4395) 2347.24,4397.24 2396.11,4397.24 2483.35,4310 3940,4310 v1(3970,4340)
  Bottom Layer w10: v1(2310,2530) 2307.39,2532.61 2297.65,2532.61 2196.25,2634 2057,2773.25 2057,4469.61 2107.52,4520.13 2265.13,4520.13 2345,4440.25 v1(2345,4395) ; v1(3970,4340) 4002.37,4340 4016.37,4326 4331.37,4326 4426,4231.37 4426,2731.63 4446.63,2711 4468.37,2711 4490,2732.63 4490,2755 4460,2785 4460,2972.6 P4.6@4527.56,3040.16
"CON DIO1 LED": DS1.1 R3.1 | length 57.5
  Top Layer w20: R3.1@4056.24,4340 DS1.1@4113.76,4340
"CON DTR": R43.1 U3.7 | length 857.7
  Top Layer w10: v1(3165,4725) 3168.69,4725 3173.41,4720.28 3217.28,4720.28 U3.7@3219.17,4718.39
  Top Layer w20: R43.1@3015,4206.24 v1(3015,4230)
  Bottom Layer w10: v1(3015,4230) 3065,4280 3211.83,4280 3301.81,4369.98 3301.81,4623.19 3201.81,4723.19 3166.81,4723.19 v1(3165,4725)
"CON MISO": P2.3 R5.1 | length 199.4
  Top Layer w20: v1(2310,3415) R5.1@2333.76,3415
  Bottom Layer w10: P2.3@2165.35,3340.16 2240.2,3415 v1(2310,3415)
"CON MOSI": P2.4 R6.1 | length 377.9
  Top Layer w20: v1(2310,3475) R6.1@2333.76,3475
  Bottom Layer w10: P2.4@2165.35,3240.16 2220,3294.8 2220,3350 2256,3386 2319.37,3386 2336.81,3403.44 2336.81,3448.19 v1(2310,3475)
"CON RESET": P4.4 R10.1 SW1.1 | length 5323
  Top Layer w20: R10.1@3315,4206.24 v1(3315,4230)
  Mid-Layer 2 w10: v1(2385,4316.81) 2441.81,4260 3285,4260 v1(3315,4230) ; v1(4285,4255) 4305,4275 4357.41,4275 4405,4227.41 4405,3940 4475,3870 4475,3292.72 P4.4@4527.56,3240.16
  Bottom Layer w10: v1(2225,2710) 2224.82,2710.18 2188.19,2710.18 2107,2791.37 2107,4382 2120,4395 2215,4395 2298.62,4311.38 2361.11,4311.38 2363.93,4314.2 2382.39,4314.2 v1(2385,4316.81) ; v1(3315,4230) 3425,4340 3870,4340 3956.89,4253.11 3983.11,4253.11 4024,4294 4246,4294 v1(4285,4255)
"CON RESET M": Q1.G R10.2 R12.2 | length 507.3
  Top Layer w20: Q1.G@3175.94,3989.21 Q1.G@3177.76,3987.4 v1(3310.15,3987.4) ; v1(3315,4120) R10.2@3315,4143.76
  Mid-Layer 2 w20: v1(3130,4120) 3130.98,4120 3165.98,4085 3279.02,4085 3314.02,4120 v1(3315,4120)
  Bottom Layer w20: v1(3310.15,3987.4) 3310.15,4114.17 3315,4119.02 v1(3315,4120)
"CON RSSI": P4.2 R17.1 R42.2 | length 2480.4
  Top Layer w10: R17.1@3190,4206.24 v1(3190,4230)
  Bottom Layer w10: v1(3190,4230) 3317.81,4357.81 ; v1(3380,4475) 3340,4475 3317.81,4452.81 3317.81,4357.81 ; P4.2@4527.56,3440.16 4585,3497.6 4585,3850 4545,3890 4465,3890 4442,3913 4442,4238 4338,4342 4023,4342 3997.55,4367.45 3958.01,4367.45 3948.37,4357.81 3317.81,4357.81
"CON RTS": P1.2 R14.1 U3.9 | length 3322.7
  Top Layer w10: v1(3165,4760) 3168.69,4760 3176.56,4767.88 3217.48,4767.88 U3.9@3219.17,4769.57
  Top Layer w20: v1(2310,2590) R14.1@2333.76,2590
  Mid-Layer 2 w10: P1.2@2165.35,3840.16 2225,3780.51 2225,2785 2275,2735 2275,2625 v1(2310,2590)
  Bottom Layer w10: P1.2@2165.35,3840.16 2257.88,3932.69 2257.88,4217.37 2282.51,4242 2729.88,4242 2816.88,4329 3156.37,4329 3236,4408.63 3236,4614 3190,4660 3140,4660 3125,4675 3125,4745 3137.39,4757.39 3162.39,4757.39 v1(3165,4760)
"CON RXD": P1.5 R11.1 U3.20 | length 1742.7
  Top Layer w10: v1@3025.24,4564.84 3064.84,4564.84 3065,4565 3110,4565 3145,4530 3265,4530 3314,4481 3314,4386 3396,4304 3436.21,4304 3445,4295.21 R11.1@3445,4206.24
  Bottom Layer w10: P1.5@2165.35,4140.16 2209.88,4184.69 2209.88,4237.25 2262.63,4290 2710,4290 2984.59,4564.59 v1(3025.24,4564.59)
"CON SLEEP": P3.2 R19.1 R21.2 | length 6167.5
  Top Layer w20: v1(2310,2710) R19.1@2333.76,2710 ; R21.2@4453.76,2710 4457.12,2713.35 4457.12,2739.31 v1(4457.81,2740)
  Mid-Layer 2 w10: v1(2350,4338.19) 2352.61,4340.8 2371.07,4340.8 2373.89,4343.62 2396.38,4343.62 2462,4278 3912,4278 3952.81,4237.19 3992.19,4237.19 4046,4291 4364.04,4291 4421,4234.04 4421,3946.72 P3.2@4527.56,3840.16
  Bottom Layer w10: v1(2310,2710) 2309.68,2709.68 2273.19,2709.68 2246.7,2683.19 2192.32,2683.19 2091,2784.51 2091,4458.35 2120.77,4488.13 2251.87,4488.13 2280,4460 2280,4365 2306.81,4338.19 v1(2350,4338.19) ; v1(4457.81,2740) 4455.2,2742.61 4455.2,2767.17 4442,2780.37 4442,3812 4470.16,3840.16 P3.2@4527.56,3840.16